# Allegro board PCIE_FIBER_BOARD-1116.brd (continued)
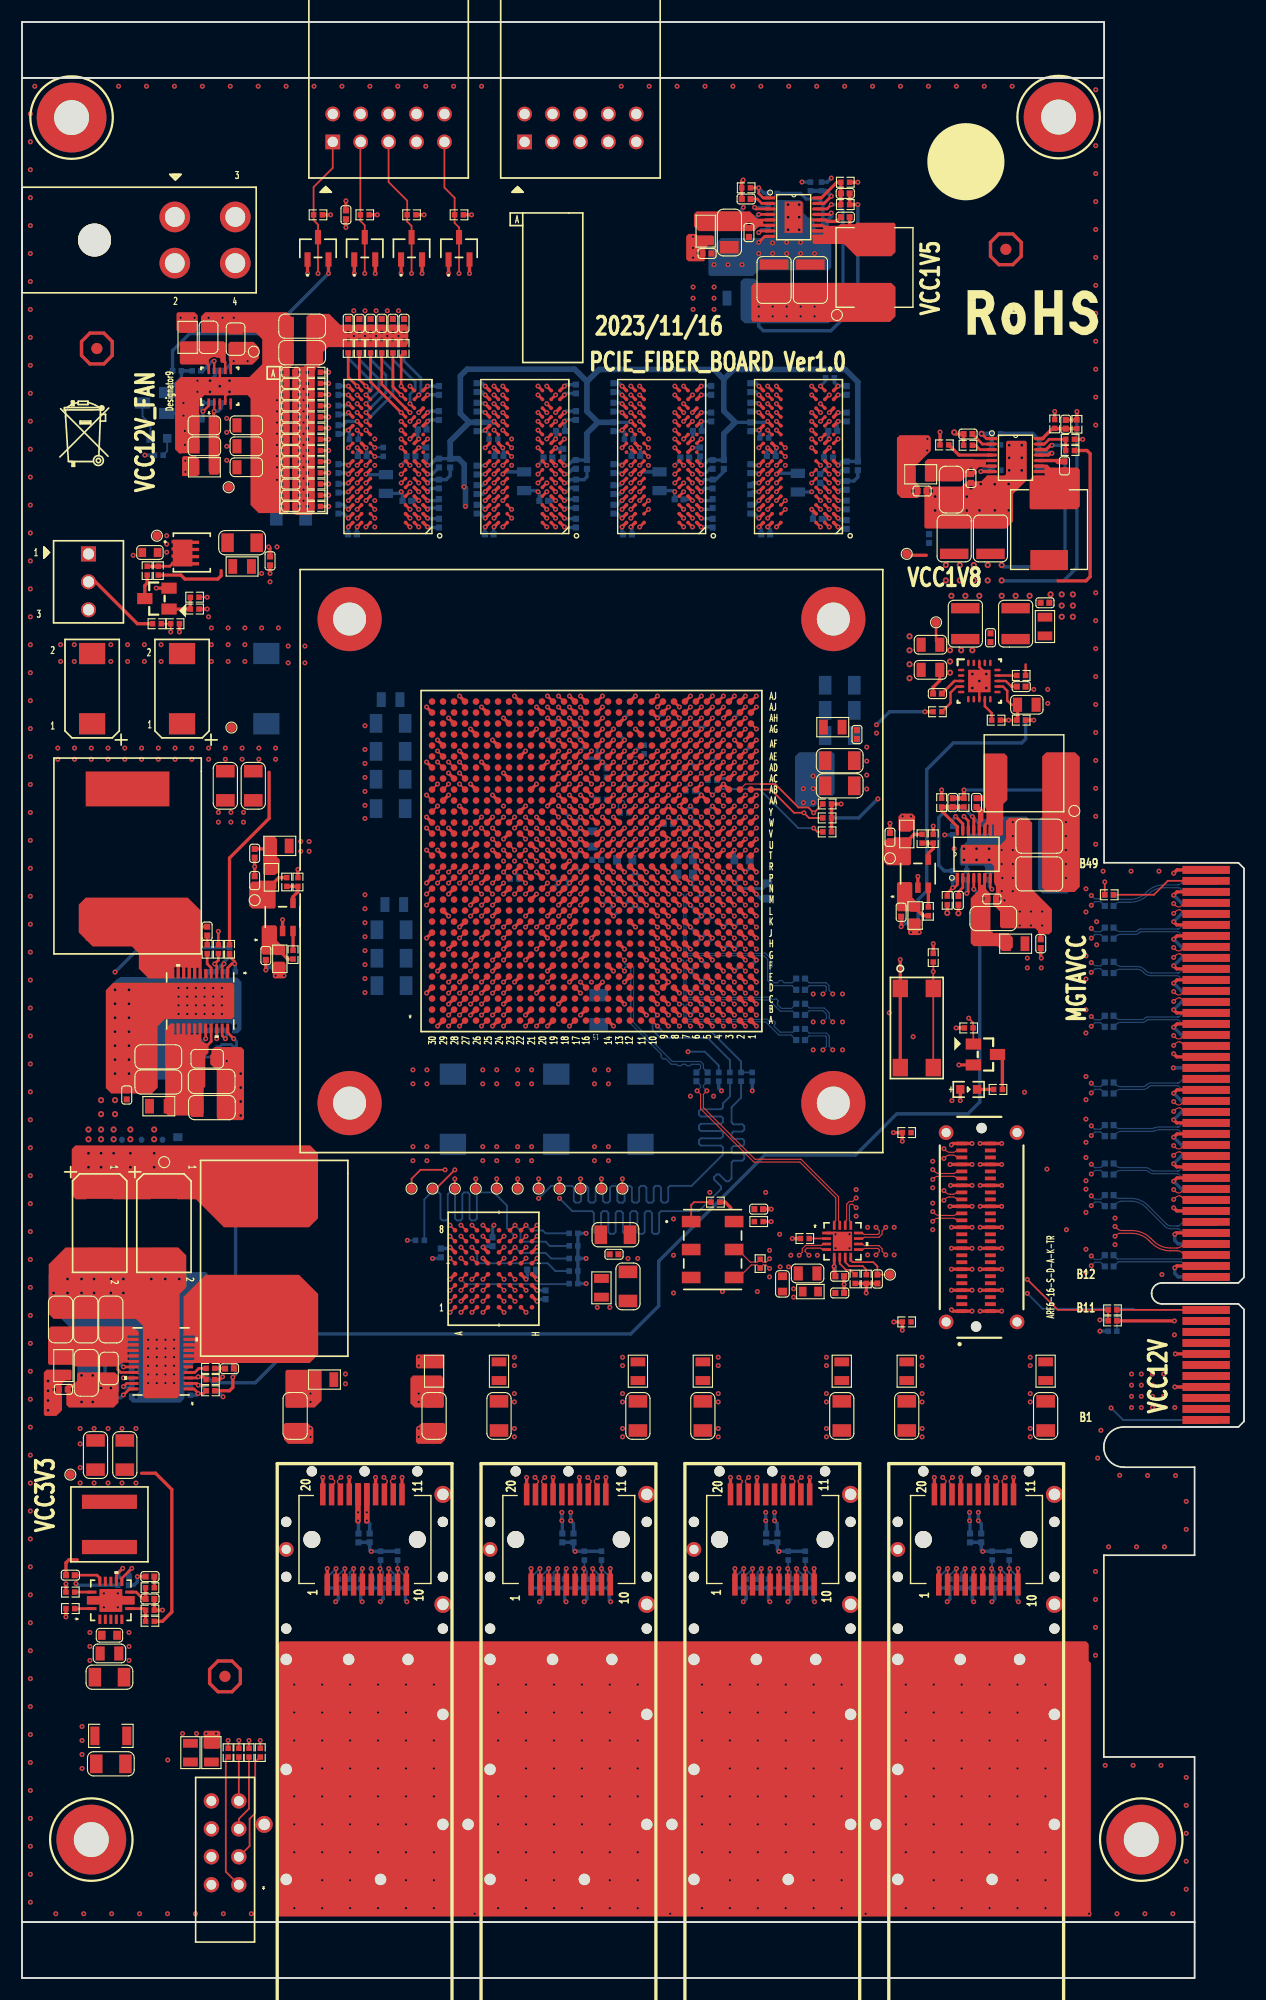
[diagram p0: board, top side]
## Routing (per net, layer and track width the routed paths; a pad name or vN(x,y) marks a point on that pad's centre or on a via; arc(x,y) is an arc through that point) (continued)
DDR3_A_D29: length 41.4
  TOP w0.254: U76.A2 v1(73.43,131.9) ; U247.AC5 v1(62.8,109.53)
  ART03 w0.102: 69.6,109.36 69.37,109.13 63.2,109.13 v1(62.8,109.53) ; v1(73.43,131.9) 73.83,132.3 74.48,132.3
  ART03 w0.183: 74.48,132.3 74.85,132.3 77.84,129.31 77.84,120.58 77.66,120.4 77.12,120.4 76.94,120.22 76.94,119.85 77.12,119.67 77.66,119.67 77.84,119.49 77.84,118.15 77.66,117.96 76.21,117.96 76.03,117.78 76.03,117.41 76.21,117.23 76.74,117.23 76.92,117.05 76.92,116.68 76.74,116.5 75.74,116.5 75.56,116.32 75.56,115.32 69.6,109.36
DDR3_A_D30: length 41.4
  TOP w0.254: U76.B8 v1(67.83,132.7) ; U247.AD6 v1(61.8,110.53)
  ART03 w0.102: v1(61.8,110.53) 62.4,111.13 62.4,112.78 62.55,112.93 67.43,112.93 67.75,113.25 67.75,113.48 ; v1(67.83,132.7) 67.43,132.3 66.81,132.3
  ART03 w0.183: 67.75,113.48 67.75,115.38 68.61,116.24 68.61,123.62 68.08,124.14 68.08,124.4 68.33,124.66 68.33,124.91 68.07,125.17 67.81,125.17 67.56,124.92 67.3,124.92 66.81,125.41 66.81,125.78 66.99,125.96 67.72,125.96 67.9,126.14 67.9,126.51 67.72,126.69 66.99,126.69 66.81,126.88 66.81,127.24 66.99,127.42 67.87,127.42 68.05,127.61 68.05,127.97 67.87,128.16 66.99,128.16 66.81,128.34 66.81,128.7 66.99,128.89 68.02,128.89 68.2,129.07 68.2,129.44 68.02,129.62 66.72,129.62 66.54,129.8 66.54,130.17 66.72,130.35 67.94,130.35 68.12,130.53 68.12,130.9 67.94,131.08 66.61,131.08 66.3,131.39 66.3,132.1 66.51,132.3 66.81,132.3
DDR3_A_D31: length 41.2
  TOP w0.254: U76.A3 v1(72.63,131.9) ; U247.AC2 v1(65.8,109.53)
  ART03 w0.102: v1(65.8,109.53) 65.8,109.65 66.08,109.93 67.05,109.93 67.13,110.01 68.85,110.01 69.11,110.26 69.12,110.26
  ART03 w0.183: v1(72.63,131.9) 72.63,131.32 72.92,131.03 72.92,128.85 73.1,128.67 73.47,128.67 73.65,128.85 73.65,130.71 73.86,130.93 74.2,130.93 74.38,130.74 74.38,128.81 74.57,128.63 74.93,128.63 75.11,128.81 75.11,129.97 75.3,130.15 75.62,130.15 75.85,129.92 75.85,128.66 75.68,128.49 75.68,127.58 75.86,127.4 76.28,127.4 76.46,127.21 76.46,126.85 76.28,126.67 75.86,126.67 75.68,126.48 75.68,126.23 76.87,125.04 76.87,122.03 74.58,119.75 74.58,115.73 69.12,110.26
DDR3_A_D32: length 40.8
  TOP w0.254: U77.E3 v1(35.29,135.9) ; U247.AG15 v1(52.8,113.53)
  ART10 w0.102: v1(52.8,113.53) 51.9,114.43 51.9,117.03 ; 35.69,131.49 35.69,135.5 v1(35.29,135.9)
  ART10 w0.183: 35.69,131.49 35.69,129.05 35.87,128.87 36.6,128.87 36.78,128.69 36.78,128.32 36.6,128.14 36.25,128.14 36.07,127.96 36.07,127.59 36.25,127.41 41.58,127.41 41.76,127.23 41.76,126.86 41.58,126.68 39.76,126.68 39.58,126.49 39.58,126.13 39.76,125.95 43.06,125.95 43.3,125.7 44.6,125.7 51.9,118.4 51.9,117.03
DDR3_A_D33: length 40.7
  TOP w0.254: U77.F7 v1(31.29,135.9) ; U247.AK16 v1(50.8,116.53)
  ART10 w0.102: 50.16,117.8 50.68,117.28 50.68,116.98 50.8,116.86 v1(50.8,116.53)
  ART10 w0.183: 50.16,117.8 43.9,124.06 36.53,124.06 34.02,126.58 34.02,130.87 32.53,132.36 32.53,132.72 32.71,132.9 32.89,132.9 33.08,133.09 33.08,133.45 32.89,133.64 32.71,133.64 32.53,133.82 32.53,136.27 33.32,137.06 33.32,138.81 33.13,138.99 32.78,138.99 32.59,138.81 32.59,137.38 31.29,136.07 v1(31.29,135.9)
DDR3_A_D34: length 40.7
  TOP w0.254: U77.F2 v1(36.09,135.9) ; U247.AH15 v1(52.8,114.53)
  ART10 w0.102: v1(52.8,114.53) 52.3,115.03 52.3,116.73 52.38,116.81 52.38,117.03 ; 36.49,131.5 36.49,135.5 v1(36.09,135.9)
  ART10 w0.183: 36.49,131.5 36.49,131.12 36.67,130.94 37.28,130.94 37.46,130.76 37.46,130.39 37.28,130.21 36.67,130.21 36.49,130.03 36.49,129.66 36.67,129.48 40.22,129.48 40.4,129.29 40.4,128.93 40.22,128.75 37.45,128.75 37.27,128.56 37.27,128.2 37.46,128 41.69,128 43.51,126.19 44.8,126.19 52.38,118.61 52.38,117.03
DDR3_A_D35: length 40.8
  TOP w0.254: U247.AE16 v1(51.8,111.53) ; U77.F8 v1(30.49,135.9)
  ART10 w0.102: v1(51.8,111.53) 51.8,112.53 51.31,113.02 50.63,113.02 50.2,113.45 50.2,116.69 49.96,116.93 49.65,116.93 49.3,117.28 ; v1(30.49,135.9) 30.89,135.5 30.89,131.53
  ART10 w0.183: 30.89,131.53 30.89,130.12 31.97,129.04 32.86,129.04 33.04,128.86 33.04,128.49 32.86,128.31 32.57,128.31 32.39,128.13 32.39,127.76 32.57,127.58 32.86,127.58 33.04,127.39 33.04,126.18 36.13,123.09 43.49,123.09 49.3,117.28
DDR3_A_D36: length 40.8
  TOP w0.254: U77.H3 v1(35.29,137.5) ; U247.AG14 v1(53.8,113.53)
  ART10 w0.102: 53.36,116.9 53.36,113.97 v1(53.8,113.53) ; v1(35.29,137.5) 35.69,137.1 37.21,137.1
  ART10 w0.183: 53.36,116.9 53.36,119.01 45.2,127.17 43.91,127.17 39.81,131.27 39.81,134.83 39.63,135.01 38.34,135.01 38.16,135.2 38.16,135.56 38.34,135.75 39.63,135.75 39.81,135.93 39.81,137.67 39.56,137.92 39.26,137.92 39.02,137.69 39.02,136.87 38.87,136.73 37.91,136.73 37.53,137.1 37.21,137.1
DDR3_A_D37: length 40.7
  TOP w0.254: U247.AJ17 v1(49.8,115.53) ; U77.H8 v1(30.49,137.5)
  ART10 w0.102: v1(30.49,137.5) 30.09,137.1 30.09,131.49 ; v1(49.8,115.53) 49.4,115.93 49.4,116.5 48.72,117.18 48.71,117.18
  ART10 w0.183: 30.09,131.49 30.09,129.16 29.64,128.7 29.64,128.25 29.91,127.97 30.17,127.97 30.95,128.75 31.21,128.75 31.47,128.5 31.47,128.24 30.68,127.46 30.68,127.2 30.94,126.94 31.2,126.94 31.65,127.39 31.91,127.39 32.17,127.13 32.17,126.87 31.72,126.42 31.72,126.16 35.28,122.6 43.29,122.6 48.71,117.18
DDR3_A_D38: length 40.7
  TOP w0.254: U77.G2 v1(36.09,136.7) ; U247.AK15 v1(52.8,116.53)
  ART10 w0.102: 52.87,117.03 52.87,116.6 v1(52.8,116.53) ; v1(36.09,136.7) 36.49,136.3 37.17,136.3 37.27,136.21
  ART10 w0.183: 52.87,117.03 52.87,118.81 45,126.68 43.71,126.68 40.42,129.96 38.14,129.96 37.95,130.15 37.95,130.51 38.14,130.7 39.14,130.7 39.32,130.88 39.32,131.24 39.14,131.43 37.51,131.43 37.33,131.61 37.33,131.98 37.51,132.16 39.14,132.16 39.32,132.34 39.32,132.71 39.14,132.89 37.51,132.89 37.33,133.07 37.33,133.44 37.51,133.62 39.14,133.62 39.32,133.81 39.32,134.17 39.14,134.35 37.51,134.35 37.33,134.54 37.33,136.15 37.27,136.21
DDR3_A_D39: length 40.7
  TOP w0.254: U247.AH17 v1(49.8,114.53) ; U77.H7 v1(31.29,137.5)
  ART10 w0.102: 48.17,117.03 48.32,116.88 48.32,115.23 48.57,114.97 49.35,114.97 v1(49.8,114.53)
  ART10 w0.183: 48.17,117.03 43.13,122.07 35.12,122.07 29.15,128.05 29.15,137.79 29.44,138.09 30.7,138.09 v1(31.29,137.5)
DDR3_A_D40: length 36.3
  TOP w0.254: U77.D7 v1(31.29,134.3) ; U247.AJ19 v1(47.8,115.53)
  ART03 w0.102: 31.82,131.31 31.82,131.57 31.69,131.7 31.69,133.3 31.29,133.7 v1(31.29,134.3) ; 47.84,117.33 48.38,116.8 48.38,116.11 v1(47.8,115.53)
  ART03 w0.183: 31.82,131.31 31.82,127.44 32.56,126.7 32.95,126.7 33.44,127.2 33.7,127.2 33.96,126.94 33.96,126.68 33.4,126.12 33.4,125.86 33.66,125.6 33.93,125.6 35.36,127.04 35.69,127.04 35.93,126.8 35.93,126.54 35.13,125.75 35.13,125.49 35.39,125.23 35.65,125.23 36.34,125.92 36.6,125.92 41.04,121.49 42.9,121.49 46.57,117.82 47.35,117.82 47.84,117.33
DDR3_A_D41: length 36.3
  TOP w0.254: U77.C3 v1(35.29,133.5) ; U247.AH19 v1(47.8,114.53)
  ART03 w0.102: v1(47.8,114.53) 48.32,115.05 49.94,115.05 50.2,115.31 50.2,116.7 50.07,116.83 50.07,117.03
  ART03 w0.183: 50.07,117.03 50.07,117.69 48.26,119.5 47.12,119.5 43.46,123.15 41.95,123.15 38.16,126.94 38.16,127.82 36.94,129.05 35.84,129.05 35.59,129.3 35.59,130.85 34.71,131.73 34.71,133.05 32.95,134.81 32.95,135.09 33.19,135.33 33.46,135.33 v1(35.29,133.5)
DDR3_A_D42: length 36.3
  TOP w0.254: U247.AD19 v1(48.8,110.53) ; U77.C8 v1(30.49,133.5)
  ART03 w0.102: v1(30.49,133.5) 30.09,133.1 30.09,131.53 ; v1(48.8,110.53) 48.72,110.53 48.37,110.88 48.37,111.75 48.06,112.05 47.6,112.05 47.3,112.36 47.3,113.68 47.05,113.93 45.55,113.93 45.27,114.21 45.27,116.96 45.14,117.08
  ART03 w0.183: 30.09,131.53 30.09,127.11 37.16,120.03 42.19,120.03 45.14,117.08
DDR3_A_D43: length 36.3
  TOP w0.254: U247.AF17 v1(49.8,112.53) ; U77.C2 v1(36.09,133.5)
  ART03 w0.102: v1(36.09,133.5) 36.49,133.9 37.05,133.9 37.37,134.22 ; 52.17,117.03 52.17,113.88 51.22,112.93 50.2,112.93 v1(49.8,112.53)
  ART03 w0.183: 52.17,117.03 52.17,118.35 49.07,121.45 47.93,121.45 40.07,129.3 40.07,133.2 39.62,133.65 39.62,133.91 40.22,134.52 40.22,134.77 39.97,135.03 39.71,135.03 39.1,134.43 38.84,134.43 38.59,134.68 37.84,134.68 37.37,134.22
DDR3_A_D44: length 36.3
  TOP w0.254: U247.AK19 v1(47.8,116.53) ; U77.A7 v1(31.29,131.9)
  ART03 w0.183: v1(31.29,131.9) 31.34,131.85 31.34,131.5 31.06,131.22 31.06,130.86 31.34,130.59 31.34,130.13 31.06,129.86 31.06,127.51 32.7,125.87 33.81,124.77 34.07,124.77 34.49,125.19 34.75,125.19 35.01,124.93 35.01,124.67 34.58,124.25 34.58,123.99 34.84,123.73 35.1,123.73 36.47,125.1 36.73,125.1 36.99,124.85 36.99,124.59 36.29,123.89 36.29,123.63 36.55,123.37 36.81,123.37 37.51,124.07 37.77,124.07 38.03,123.81 38.03,123.55 37.32,122.85 37.32,122.59 37.58,122.33 37.84,122.33 38.54,123.04 38.8,123.04 39.06,122.78 39.06,122.52 38.36,121.82 38.36,121.56 38.91,121 42.6,121 46.27,117.33 47.15,117.33 47.8,116.68 v1(47.8,116.53)
DDR3_A_D45: length 36.3
  TOP w0.254: U247.AG18 v1(49.8,113.53) ; U77.A2 v1(36.09,131.9)
  ART03 w0.102: v1(49.8,113.53) 50.1,113.53 50.5,113.93 50.83,113.93 51.2,114.3 51.2,117.03 ; 37.54,132.53 37.34,132.53 37.12,132.3 36.32,132.3 36.09,132.07 v1(36.09,131.9)
  ART03 w0.183: 37.54,132.53 38.56,132.53 39.1,131.99 39.1,128.9 39.46,128.54 39.46,128.28 39.14,127.96 39.14,127.7 39.39,127.44 39.65,127.44 39.98,127.76 40.23,127.76 40.49,127.5 40.49,127.24 39.99,126.75 39.99,126.49 40.25,126.23 40.51,126.23 41.01,126.73 41.27,126.73 41.53,126.47 41.53,126.21 41.03,125.71 41.03,125.45 41.29,125.19 41.55,125.19 42.05,125.69 42.3,125.69 42.56,125.43 42.56,125.18 42.06,124.68 42.06,124.42 42.32,124.16 42.58,124.16 43.08,124.66 43.34,124.66 47.53,120.47 48.67,120.47 51.2,117.94 51.2,117.03
DDR3_A_D46: length 36.3
  TOP w0.254: U247.AE19 v1(48.8,111.53) ; U77.B8 v1(30.49,132.7)
  ART03 w0.102: v1(48.8,111.53) 48.8,111.86 48.2,112.46 48.2,113.77 47.93,114.03 47.68,114.03 47.25,114.47 47.25,116.64 46.96,116.93 45.98,116.93 45.68,117.23 ; v1(30.49,132.7) 30.89,132.3 30.89,131.73 30.58,131.42 30.58,131.14
  ART03 w0.183: 30.58,131.14 30.58,127.31 35,122.88 35.26,122.88 35.47,123.09 35.73,123.09 35.99,122.83 35.99,122.57 35.78,122.36 35.78,122.1 36.04,121.85 36.3,121.85 36.71,122.26 36.97,122.26 37.23,122 37.23,121.74 36.81,121.33 36.81,121.07 37.37,120.52 42.4,120.52 45.68,117.23
DDR3_A_D47: length 36.3
  TOP w0.254: U247.AG19 v1(48.8,113.53) ; U77.A3 v1(35.29,131.9)
  ART03 w0.102: v1(48.8,113.53) 48.8,113.91 49.02,114.13 50.09,114.13 50.4,114.44 50.4,116.72 50.56,116.87 50.56,117.03
  ART03 w0.183: 50.56,117.03 50.56,117.89 48.47,119.98 47.32,119.98 43.67,123.64 42.15,123.64 38.65,127.14 38.65,128.71 38.47,128.89 37.78,128.89 37.55,129.12 37.55,129.5 37.74,129.69 38.2,129.69 38.38,129.87 38.38,130.23 38.2,130.42 37.74,130.42 37.55,130.6 37.55,130.91 38.12,131.47 38.12,131.78 37.93,131.96 37.57,131.96 36.82,131.21 36.82,129.72 36.64,129.53 36.27,129.53 36.09,129.72 36.09,131.21 35.4,131.9 v1(35.29,131.9)
DDR3_A_D48: length 47.8
  TOP w0.254: U78.E3 v1(47.73,135.9) ; U247.AB17 v1(50.8,108.53)
  ART10 w0.102: v1(47.73,135.9) 48.14,135.5 48.14,134.91 48.35,134.7 49.62,134.7 49.71,134.61 ; 57.14,117.62 57.14,117.35 57.2,117.29 57.2,108.26 57.06,108.13 51.2,108.13 v1(50.8,108.53)
  ART10 w0.183: 49.71,134.61 49.88,134.44 49.88,131.62 50.06,131.43 50.43,131.43 50.61,131.62 50.61,134.02 50.79,134.2 51.16,134.2 51.34,134.02 51.34,133.08 51.52,132.9 51.79,132.9 51.97,132.72 51.97,132.35 51.79,132.17 51.52,132.17 51.34,131.98 51.34,131.62 51.52,131.44 51.79,131.44 51.97,131.25 51.97,130.89 51.79,130.7 51.52,130.7 51.34,130.52 51.34,130.13 57.14,124.34 57.14,117.62
DDR3_A_D49: length 47.9
  TOP w0.254: U247.AC17 v1(50.8,109.53) ; U78.F7 v1(43.73,135.9)
  ART10 w0.102: 55.89,117.03 55.89,117 56.21,116.68 56.21,111.37 55.88,111.04 55.71,111.04 55.4,110.73 55.4,110.1 55.22,109.93 51.47,109.93 51.08,109.53 v1(50.8,109.53)
  ART10 w0.183: 55.89,117.03 55.89,123.03 48.69,130.23 47.41,130.23 46.23,131.41 46.23,133.4 44.45,135.18 44.45,135.7 45.73,136.98 45.73,137.58 45.92,137.77 46.51,137.77 46.69,137.95 46.69,138.32 46.51,138.5 45.92,138.5 45.73,138.68 45.73,139.12 45.52,139.33 45.22,139.33 45.01,139.13 45.01,137.31 43.73,136.03 v1(43.73,135.9)
DDR3_A_D50: length 47.7
  TOP w0.254: U78.F2 v1(48.54,135.9) ; U247.AB18 v1(49.8,108.53)
  ART10 w0.102: v1(49.8,108.53) 50.21,108.53 50.81,107.93 57.15,107.93 57.4,108.18 57.4,116.72 57.62,116.94 57.62,117.56 ; 49.59,135.5 48.81,135.5 48.54,135.77 v1(48.54,135.9)
  ART10 w0.183: 57.62,117.56 57.62,125.56 57.44,125.74 57.16,125.74 56.93,125.51 56.65,125.51 56.37,125.8 56.37,126.07 56.65,126.35 56.65,126.62 56.4,126.87 56.15,126.87 55.85,126.57 55.59,126.57 55.33,126.83 55.33,127.09 55.63,127.38 55.63,127.64 55.37,127.9 55.11,127.9 54.82,127.61 54.56,127.61 54.3,127.87 54.3,128.12 54.59,128.42 54.59,128.68 54.33,128.94 54.08,128.94 53.78,128.64 53.52,128.64 53.27,128.9 53.27,129.16 53.56,129.45 53.56,129.71 53.3,129.97 53.04,129.97 52.75,129.68 52.49,129.68 52.23,129.94 52.23,130.19 52.52,130.49 52.52,130.75 52.47,130.8 52.47,134.06 51.57,134.96 50.25,134.96 49.71,135.5 49.59,135.5
DDR3_A_D51: length 47.7
  TOP w0.254: U78.F8 v1(42.93,135.9) ; U247.AD17 v1(50.8,110.53)
  ART10 w0.102: v1(42.93,135.9) 43.33,135.5 43.33,134.04 ; 54.91,117.03 54.91,116.98 55.2,116.7 55.2,111.34 54.79,110.93 52.63,110.93 52.24,110.53 v1(50.8,110.53)
  ART10 w0.183: 54.91,117.03 54.91,119.85 54.18,120.57 54.18,120.87 54.91,121.6 54.91,121.89 54.67,122.13 54.41,122.13 53.65,121.37 53.39,121.37 53.13,121.63 53.13,121.88 53.83,122.58 53.83,122.84 53.57,123.1 53.31,123.1 52.62,122.4 52.36,122.4 52.1,122.66 52.1,122.92 52.59,123.41 52.59,123.67 52.33,123.93 52.07,123.93 51.58,123.44 51.32,123.44 51.06,123.69 51.06,123.95 51.55,124.44 51.55,124.7 51.3,124.96 51.04,124.96 50.55,124.47 50.29,124.47 50.03,124.73 50.03,124.99 50.52,125.48 50.52,125.74 50.26,126 50,126 49.51,125.51 49.25,125.51 48.99,125.76 48.99,126.02 49.48,126.51 49.48,126.77 49.23,127.03 48.97,127.03 48.84,126.9 48.58,126.9 48.32,127.16 48.32,127.42 48.45,127.55 48.45,127.81 43.88,132.37 43.54,132.37 43.37,132.54 43.37,132.94 43.57,133.13 43.87,133.13 44.07,133.34 44.07,133.66 43.87,133.86 43.52,133.86 43.33,134.04
DDR3_A_D52: length 47.7
  TOP w0.254: U247.AA18 v1(48.8,107.53) ; U78.H3 v1(47.73,137.5)
  ART10 w0.102: v1(48.8,107.53) 49.18,107.53 49.78,106.93 58.05,106.93 58.4,107.28 58.4,116.45 58.6,116.65 58.6,117.03 ; 49.58,137.1 48.14,137.1 v1(47.73,137.5)
  ART10 w0.183: 58.6,117.03 58.6,126.05 53.45,131.2 53.45,134.51 50.85,137.1 49.58,137.1
DDR3_A_D53: length 47.9
  TOP w0.254: U247.AD18 v1(49.8,110.53) ; U78.H8 v1(42.94,137.5)
  ART10 w0.102: v1(42.94,137.5) 42.8,137.5 42.53,137.23 42.53,131.53 42.62,131.45 ; v1(49.8,110.53) 50.2,110.93 52.35,110.93 52.55,111.13 53.96,111.13 54.4,111.57 54.4,116.72 54.34,116.78 54.34,117.03
  ART10 w0.183: 42.62,131.45 42.62,130.87 42.87,130.62 43.16,130.62 43.9,131.36 44.21,131.36 44.47,131.1 44.47,130.84 43.33,129.71 43.33,129.45 43.59,129.19 43.85,129.19 44.98,130.33 45.24,130.33 45.5,130.07 45.5,129.81 44.6,128.91 44.6,128.65 44.86,128.39 45.12,128.39 46.02,129.29 46.28,129.29 46.54,129.03 46.54,128.77 46.04,128.28 46.04,128.02 46.3,127.76 46.56,127.76 46.98,128.19 47.24,128.19 47.5,127.93 47.5,127.67 47.08,127.25 47.08,126.99 47.38,126.68 48.11,126.68 48.51,126.29 48.51,125.56 54.34,119.73 54.34,117.03
DDR3_A_D54: length 47.7
  TOP w0.254: U78.G2 v1(48.54,136.7) ; U247.AB19 v1(48.8,108.53)
  ART10 w0.102: 50.14,136.59 49.79,136.59 49.5,136.3 48.76,136.3 48.54,136.52 v1(48.54,136.7) ; v1(48.8,108.53) 48.8,108.47 49.16,108.11 50.08,108.11 50.3,107.89 50.3,107.43 50.6,107.13 57.96,107.13 58.2,107.37 58.2,116.88 58.11,116.97 58.11,117.58
  ART10 w0.183: 58.11,117.58 58.11,125.85 52.96,131 52.96,134.31 51.49,135.77 51.23,135.77 50.91,135.45 50.6,135.45 50.36,135.69 50.36,135.94 50.68,136.26 50.68,136.44 50.53,136.59 50.14,136.59
DDR3_A_D55: length 48
  TOP w0.254: U247.AE18 v1(49.8,111.53) ; U78.H7 v1(43.74,137.5)
  ART10 w0.102: 53.85,117.03 53.85,116.1 54.2,115.75 54.2,112.36 53.96,112.13 52.84,112.13 52.32,111.62 52.32,111.38 52.08,111.13 50.29,111.13 49.89,111.53 v1(49.8,111.53)
  ART10 w0.183: v1(43.74,137.5) 43.28,137.96 42.84,137.96 42.66,138.14 42.66,138.26 42.47,138.44 42.11,138.44 41.92,138.26 41.92,138.14 41.74,137.96 40.95,137.96 40.75,137.76 40.75,137.27 40.93,137.09 41.4,137.09 41.58,136.9 41.58,136.54 41.4,136.36 40.9,136.36 40.72,136.17 40.72,135.81 40.9,135.62 41.4,135.62 41.58,135.44 41.58,135.08 41.4,134.89 40.9,134.89 40.72,134.71 40.72,134.34 40.9,134.16 41.45,134.16 41.64,133.98 41.64,133.61 41.45,133.43 40.9,133.43 40.72,133.25 40.72,132.88 40.9,132.7 41.48,132.7 41.66,132.52 41.66,132.15 41.48,131.97 40.9,131.97 40.72,131.78 40.72,131.37 41.02,131.08 41.28,131.08 41.38,131.18 41.64,131.18 41.9,130.92 41.9,130.66 41.8,130.56 41.8,130.3 44.19,127.9 45.48,127.9 53.85,119.53 53.85,117.03
DDR3_A_D56: length 39.6
  TOP w0.254: U247.AD14 v1(53.8,110.53) ; U78.D7 v1(43.73,134.3)
  ART03 w0.102: v1(53.8,110.53) 54.4,111.13 54.4,116.55 54.21,116.74 54.21,118.33
  ART03 w0.183: v1(43.73,134.3) 43.95,134.09 43.95,132.47 45.24,131.18 45.24,130.16 46.16,129.25 46.16,128.42 45.7,127.96 45.7,127.7 45.95,127.44 46.21,127.44 46.44,127.67 46.7,127.67 46.95,127.41 46.95,127.15 46.49,126.69 46.49,126.43 46.75,126.17 47.01,126.17 47.47,126.63 47.73,126.63 47.99,126.37 47.99,126.12 47.3,125.43 47.3,125.17 47.56,124.91 47.82,124.91 48.51,125.6 48.77,125.6 49.02,125.34 49.02,125.08 48.34,124.39 48.34,124.13 48.6,123.88 48.85,123.88 49.54,124.56 49.8,124.56 50.06,124.3 50.06,124.05 49.93,123.92 49.93,123.66 50.19,123.4 50.45,123.4 50.58,123.53 50.83,123.53 51.09,123.27 51.09,123.01 50.97,122.88 50.97,122.62 51.22,122.37 51.48,122.37 51.61,122.49 51.87,122.49 52.13,122.24 52.13,121.98 52,121.85 52,121.59 52.26,121.33 52.52,121.33 52.65,121.46 52.9,121.46 53.16,121.2 53.16,120.94 53.03,120.81 53.03,120.56 53.29,120.3 53.55,120.3 53.68,120.42 53.94,120.42 54.21,120.15 54.21,118.33
DDR3_A_D57: length 39.6
  TOP w0.254: U78.C3 v1(47.73,133.5) ; U247.AC14 v1(53.8,109.53)
  ART03 w0.102: v1(53.8,109.53) 54.2,109.13 55.99,109.13 56.2,109.34 56.2,117.03
  ART03 w0.183: 56.2,117.03 56.2,121.97 55.75,122.42 55.49,122.42 55.17,122.09 54.91,122.09 54.65,122.35 54.65,122.61 55.77,123.73 55.77,123.99 55.52,124.25 55.26,124.25 54.14,123.13 53.88,123.13 53.62,123.39 53.62,123.65 54.74,124.77 54.74,125.03 54.48,125.28 54.22,125.28 53.86,124.92 53.6,124.92 53.35,125.18 53.35,125.44 53.7,125.8 53.7,126.06 52.63,127.13 51.04,127.13 48.77,129.4 48.77,130.12 47.2,131.69 47.2,132.96 v1(47.73,133.5)
DDR3_A_D58: length 39.6
  TOP w0.254: U78.C8 v1(42.93,133.5) ; U247.AA16 v1(50.8,107.53)
  ART03 w0.102: v1(42.93,133.5) 43.06,133.63 43.4,133.63 43.51,133.52 43.51,132.55 43.33,132.37 43.33,131.71 ; 53.22,117.92 53.22,117.36 53.4,117.18 53.4,112.23 53.1,111.93 50.54,111.93 50.4,111.79 50.4,107.93 v1(50.8,107.53)
  ART03 w0.183: 53.22,117.92 53.22,118.99 49.51,122.7 48.39,122.7 41.64,129.46 41.64,129.89 41.87,130.13 41.87,130.39 41.13,131.13 41.13,131.39 41.39,131.65 41.65,131.65 42.39,130.91 42.65,130.91 43.33,131.59 43.33,131.71
DDR3_A_D59: length 39.6
  TOP w0.254: U78.C2 v1(48.54,133.5) ; U247.AA15 v1(51.8,106.53)
  ART03 w0.102: v1(48.54,133.5) 48.94,133.1 49.65,133.1 ; 57.64,116.94 57.4,116.7 57.4,108.15 57.18,107.93 53.43,107.93 52.03,106.53 v1(51.8,106.53)
  ART03 w0.183: 49.65,133.1 50.1,133.1 50.57,132.63 50.57,132.37 50.17,131.97 50.17,131.72 50.43,131.46 50.68,131.46 51.08,131.86 51.34,131.86 51.6,131.6 51.6,131.34 51.46,131.19 51.46,130.93 51.71,130.68 51.97,130.68 52.12,130.82 52.38,130.82 57.68,125.52 57.68,116.99 57.64,116.94
DDR3_A_D60: length 39.8
  TOP w0.254: U78.A7 v1(43.73,131.9) ; U247.AE15 v1(52.8,111.53)
  ART03 w0.102: 53.71,118.02 53.71,117.51 53.81,117.41 53.81,116.76 54.2,116.37 54.2,111.36 53.79,110.96 52.46,110.96 52.36,111.06 52.36,111.43 52.46,111.53 v1(52.8,111.53)
  ART03 w0.183: v1(43.73,131.9) 43.92,131.72 43.92,131.46 42.25,129.79 42.25,129.53 42.63,129.15 42.89,129.15 44.24,130.5 44.5,130.5 44.75,130.24 44.75,129.98 43.41,128.63 43.41,128.37 43.67,128.12 43.92,128.12 45.13,129.32 45.39,129.32 45.65,129.07 45.65,128.81 44.44,127.6 44.44,127.34 44.7,127.08 44.96,127.08 45.16,127.29 45.42,127.29 45.68,127.03 45.68,126.77 45.48,126.56 45.48,126.31 48.59,123.19 49.71,123.19 53.71,119.19 53.71,118.02
DDR3_A_D61: length 39.7
  TOP w0.254: U247.Y16 v1(50.8,106.53) ; U78.A2 v1(48.54,131.9)
  ART03 w0.102: v1(50.8,106.53) 51.33,107.06 52.28,107.06 53.35,108.13 57.09,108.13 57.2,108.24 57.2,117.03
  ART03 w0.183: 57.2,117.03 57.2,125.31 54.64,127.87 54.38,127.87 54.15,127.64 53.89,127.64 53.63,127.9 53.63,128.16 53.86,128.39 53.86,128.65 53.6,128.91 53.35,128.91 52.92,128.48 52.66,128.48 52.4,128.74 52.4,129 52.83,129.42 52.83,129.68 52.57,129.94 52.31,129.94 51.89,129.52 51.63,129.52 49.69,131.46 48.98,131.46 v1(48.54,131.9)
DDR3_A_D62: length 39.6
  TOP w0.254: U78.B8 v1(42.93,132.7) ; U247.AA17 v1(49.8,107.53)
  ART03 w0.102: 53.07,116.88 53.07,116.85 53.2,116.72 53.2,112.31 53.02,112.13 50.45,112.13 50.2,111.88 50.2,107.93 v1(49.8,107.53) ; 41.69,133.35 41.95,133.1 42.53,133.1 v1(42.93,132.7)
  ART03 w0.183: 41.69,133.35 41.69,133.94 41.46,134.18 41.16,134.18 40.92,133.94 40.92,132.14 40.64,131.86 40.64,129.76 48.19,122.21 49.31,122.21 52.73,118.79 52.73,117.21 53.07,116.88
DDR3_A_D63: length 39.6
  TOP w0.254: U78.A3 v1(47.73,131.9) ; U247.AB15 v1(52.8,108.53)
  ART03 w0.102: 56.68,117.03 56.68,111.09 56.4,110.8 56.4,109.26 56.07,108.93 53.2,108.93 v1(52.8,108.53)
  ART03 w0.183: 56.68,117.03 56.68,123.77 55.64,124.81 55.64,125.07 56.07,125.5 56.07,125.75 55.81,126.01 55.55,126.01 55.12,125.59 54.87,125.59 54.61,125.85 54.61,126.11 55.03,126.53 55.03,126.79 54.77,127.05 54.51,127.05 54.09,126.62 53.83,126.62 52.65,127.81 52.39,127.81 52.21,127.62 51.95,127.62 51.69,127.88 51.69,128.14 51.87,128.32 51.87,128.58 51.62,128.84 51.36,128.84 50.82,128.3 50.56,128.3 50.3,128.56 50.3,128.82 50.84,129.36 50.84,129.62 50.58,129.88 50.32,129.88 49.78,129.34 49.52,129.34 49.26,129.59 49.26,129.85 49.8,130.39 49.8,130.65 49.53,130.93 48.71,130.93 v1(47.73,131.9)
DDR3_A_DM0: length 31.4
  TOP w0.254: U247.AF7 v1(60.8,112.53) ; U75.E7 v1(56.18,135.1)
  ART10 w0.102: 60.71,118.86 60.71,118.5 60.53,118.33 60.27,118.06 60.27,116.89 60.2,116.82 60.2,113.13 v1(60.8,112.53)
  ART10 w0.183: 60.71,118.86 60.71,119.06 61.65,120 61.65,125.95 61.46,126.14 60.89,126.14 60.71,126.32 60.71,126.68 60.89,126.87 61.46,126.87 61.65,127.05 61.65,127.42 61.46,127.6 60.24,127.6 60.06,127.78 60.06,128.15 60.24,128.33 61.06,128.33 61.24,128.51 61.24,128.89 61.06,129.07 60.33,129.07 58.2,131.21 58.2,133.8 56.89,135.1 v1(56.18,135.1)
DDR3_A_DM1: length 27.9
  TOP w0.254: U75.D3 v1(60.18,135.1) ; U247.AK3 v1(64.8,116.53)
  ART03 w0.102: v1(64.8,116.53) 64.8,116.91 65.16,117.26
  ART03 w0.183: 65.16,117.26 65.16,120.13 62.39,122.9 62.39,128.31 57.89,132.81 57.89,135.82 58.07,136.01 58.6,136.01 58.78,135.83 58.78,134.5 58.98,134.3 59.38,134.3 v1(60.18,135.1)
DDR3_A_DM2: length 45.9
  TOP w0.254: U247.AE1 v1(66.8,111.53) ; U76.E7 v1(68.63,135.1)
  ART10 w0.102: v1(66.8,111.53) 66.99,111.73 67.74,111.73 68.01,112
  ART10 w0.183: v1(68.63,135.1) 69.18,135.1 69.45,135.37 69.45,136.9 70.03,137.48 70.03,140.11 70.22,140.3 70.59,140.3 70.77,140.11 70.77,138.84 70.95,138.66 71.7,138.66 71.89,138.47 71.89,138.11 71.7,137.92 70.95,137.92 70.77,137.74 70.77,137.2 70.21,136.64 70.21,134.85 69.88,134.52 69.88,134.12 70.21,133.79 70.21,132.35 72.18,130.37 72.18,129.99 72,129.8 71.49,129.8 71.3,129.62 71.3,129.26 71.49,129.07 72,129.07 72.18,128.89 72.18,127.06 70.21,125.08 70.21,121.7 72.78,119.14 72.78,116.76 68.01,112
DDR3_A_DM3: length 41.4
  TOP w0.254: U247.AC1 v1(66.8,109.53) ; U76.D3 v1(72.63,134.3)
  ART03 w0.102: v1(72.63,134.3) 72.8,134.3 73.03,134.08 73.03,131.59 73.16,131.46 73.51,131.46 ; 69.37,109.82 69.15,109.61 66.87,109.61 v1(66.8,109.53)
  ART03 w0.183: 69.37,109.82 75.07,115.52 75.07,118.27 75.25,118.45 76.78,118.45 76.97,118.63 76.97,119 76.78,119.18 75.25,119.18 75.07,119.37 75.07,119.55 77.36,121.83 77.36,125.6 77.17,125.78 76.82,125.78 76.63,125.97 76.63,126.33 76.82,126.52 77.17,126.52 77.36,126.7 77.36,127.66 77.17,127.84 76.47,127.84 76.29,128.03 76.29,128.39 76.47,128.58 77.17,128.58 77.36,128.76 77.36,129.11 77.17,129.29 76.52,129.29 76.34,129.47 76.34,130.12 75,131.46 73.51,131.46
DDR3_A_DM4: length 40.7
  TOP w0.254: U247.AF15 v1(52.8,112.53) ; U77.E7 v1(31.29,135.1)
  ART10 w0.102: v1(52.8,112.53) 51.35,113.98 50.6,113.98 50.4,114.18 50.4,116.78 50.27,116.91 50.27,117 49.7,117.57 ; 31.69,131.68 31.69,134.7 v1(31.29,135.1)
  ART10 w0.183: 31.69,131.68 31.69,131.36 31.87,131.17 33.03,131.17 33.21,130.99 33.21,130.63 33.03,130.44 31.99,130.44 31.81,130.26 31.81,129.89 31.99,129.71 33.34,129.71 33.53,129.53 33.53,126.38 36.33,123.58 43.69,123.58 49.7,117.57
